# KiCad board ae89fa26-SparkFun_Thing_Plus_ESP32-S3_panelized.kicad_pcb (continued)
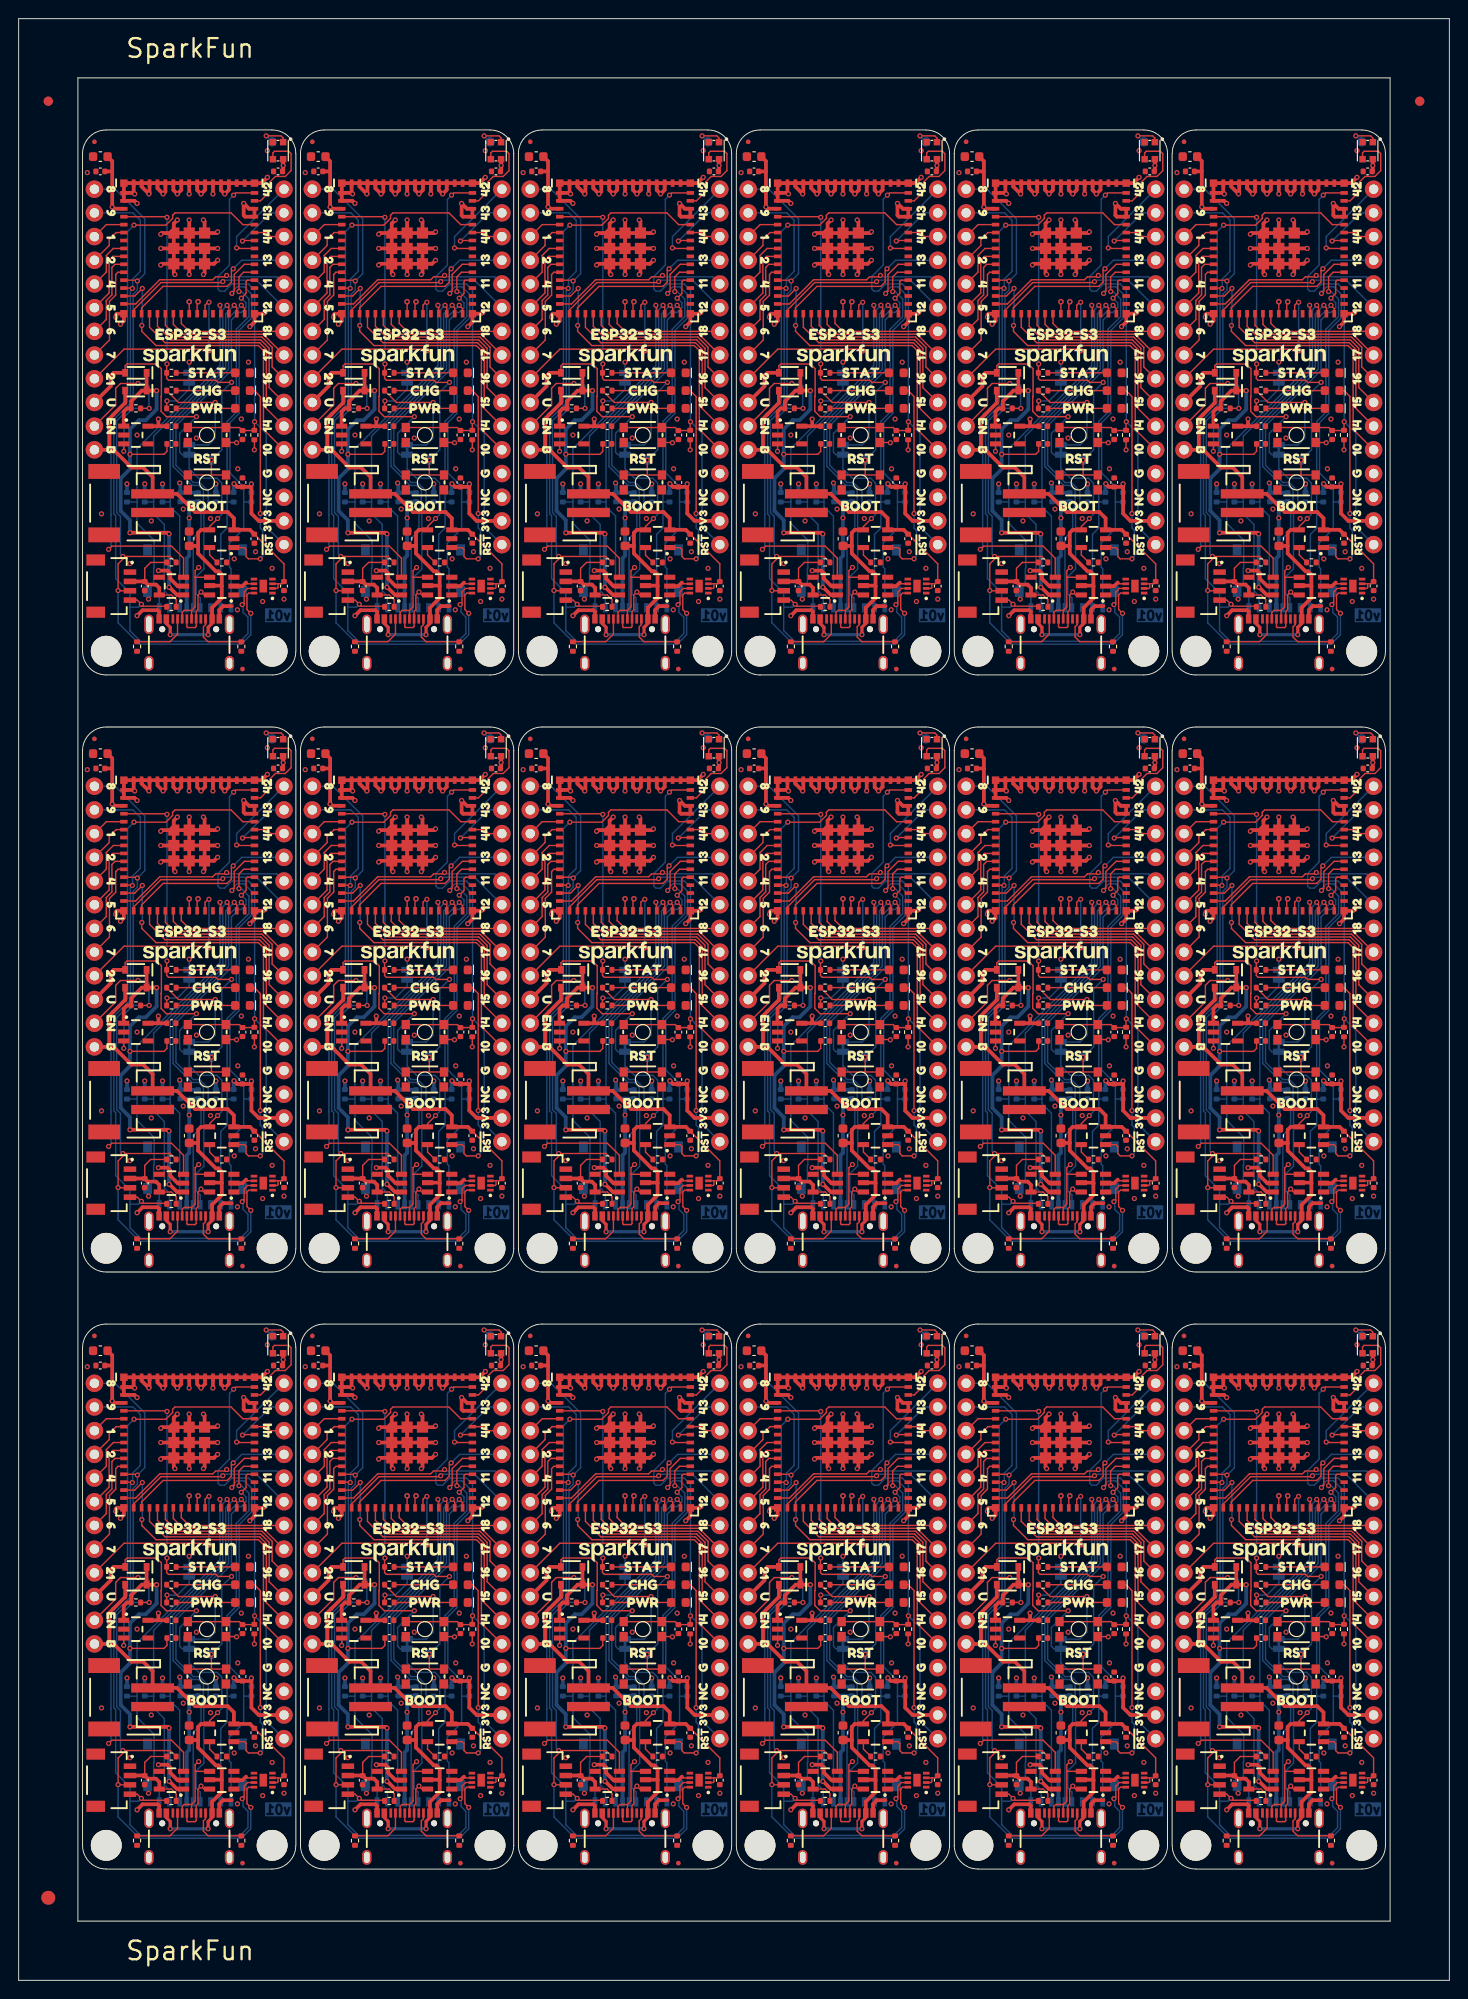
[diagram p0: board, top side]
## Routing (per net, layer and track width the routed paths; a pad name or vN(x,y) marks a point on that pad's centre or on a via; arc(x,y) is an arc through that point) (continued)
VBATT: length 693.4
  Top w0.152: 74.53,21.71 74.93,21.71 C2#8.1 75.16,23.84 C12#5.1 ; 74.53,21.71 U4#13.3 ; 74.53,21.71 74.53,21.3 74.43,21.21 U4#13.2 ; U4#2.3 27.81,21.71 ; 27.81,21.71 28.21,21.71 C2.1 28.44,23.84 C12.1 ; 27.81,21.71 27.81,21.3 27.71,21.21 U4#2.2 ; 51.16,21.71 51.16,21.3 51.07,21.21 U4#5.2 ; 51.16,21.71 U4#5.3 ; 51.16,21.71 51.57,21.71 C2#6.1 51.8,23.84 C12#9.1 ; C12#6.1 75.16,87.84 C2#5.1 74.93,85.71 74.53,85.71 ; U4#6.3 51.16,149.71 ; 51.16,149.71 51.16,149.3 51.07,149.21 U4#6.2 ; 51.16,149.71 51.57,149.71 C2#11.1 51.8,151.84 C12#8.1 ; U4#8.2 97.79,21.21 97.88,21.3 97.88,21.71 ; U4#15.3 144.6,85.71 ; 144.6,85.71 145.01,85.71 C2#18.1 145.24,87.84 C12#11.1 ; 144.6,85.71 144.6,85.3 144.51,85.21 U4#15.2 ; C12#7.1 75.16,151.84 C2#9.1 74.93,149.71 74.53,149.71 ; U4.3 51.16,85.71 ; 51.16,85.71 51.57,85.71 C2#4.1 51.8,87.84 C12#4.1 ; 51.16,85.71 51.16,85.3 51.07,85.21 U4.2 ; C12#12.1 98.52,151.84 C2#14.1 98.29,149.71 97.88,149.71 ; 97.88,21.71 U4#8.3 ; 97.88,21.71 98.29,21.71 C2#10.1 98.52,23.84 C12#10.1 ; C12#16.1 121.88,23.84 C2#15.1 121.65,21.71 121.25,21.71 ; 27.81,85.71 28.21,85.71 C2#2.1 28.44,87.84 C12#3.1 ; 27.81,85.71 U4#4.3 ; 27.81,85.71 27.81,85.3 27.71,85.21 U4#4.2 ; U4#9.3 121.25,85.71 ; 121.25,85.71 121.65,85.71 C2#12.1 121.88,87.84 C12#17.1 ; 121.25,85.71 121.25,85.3 121.15,85.21 U4#9.2 ; U4#7.3 144.6,21.71 ; 144.6,21.71 144.6,21.3 144.51,21.21 U4#7.2 ; 144.6,21.71 145.01,21.71 C2#17.1 145.24,23.84 C12#14.1 ; 97.88,149.71 U4#17.3 ; 97.88,149.71 97.88,149.3 97.79,149.21 U4#17.2 ; 121.25,149.71 121.25,149.3 121.15,149.21 U4#11.2 ; 121.25,149.71 121.65,149.71 C2#16.1 121.88,151.84 C12#13.1 ; 121.25,149.71 U4#11.3 ; U4#14.2 121.15,21.21 121.25,21.3 121.25,21.71 ; U4#18.3 97.88,85.71 ; 97.88,85.71 98.29,85.71 C2#3.1 98.52,87.84 C12#15.1 ; 97.88,85.71 97.88,85.3 97.79,85.21 U4#18.2 ; U4#12.3 74.53,85.71 ; 74.53,85.71 74.53,85.3 74.43,85.21 U4#12.2 ; U4#10.3 144.6,149.71 ; 144.6,149.71 145.01,149.71 C2#13.1 145.24,151.84 C12#18.1 ; 144.6,149.71 144.6,149.3 144.51,149.21 U4#10.2 ; U4#16.3 74.53,149.71 ; 74.53,149.71 74.53,149.3 74.43,149.21 U4#16.2 ; C12#2.1 28.44,151.84 C2#7.1 28.21,149.71 27.81,149.71 ; 27.81,149.71 27.81,149.3 27.71,149.21 U4#3.2 ; 27.81,149.71 U4#3.3 ; 121.25,21.71 U4#14.3
  Top w0.406: D3.A 11.42,105.06 11.38,105.06 10.15,103.84 10.15,103.84 9.71,103.39 9.71,100.06 ; 9.71,100.06 10.18,100.06 12.09,98.16 13.36,98.16 14.36,97.15 J3#4.2 16.96,95.35 18.92,93.39 22.41,93.39 23.07,92.73 U5#3.3 24.8,91.49 C12#3.1 ; 9.71,100.06 U10.12 ; C12#2.1 24.8,155.49 U5#2.3 23.07,156.73 22.41,157.39 18.92,157.39 16.96,159.34 J3#5.2 14.36,161.15 13.36,162.16 12.09,162.16 10.18,164.06 9.71,164.06 ; U10#15.12 103.15,100.06 ; 103.15,100.06 103.62,100.06 105.53,98.16 106.8,98.16 107.8,97.15 J3#17.2 110.4,95.35 112.35,93.39 115.85,93.39 116.51,92.73 U5#9.3 118.24,91.49 C12#17.1 ; 103.15,100.06 103.15,103.39 103.59,103.84 103.59,103.84 104.82,105.06 104.85,105.06 D3#16.A ; 79.79,100.06 80.26,100.06 82.17,98.16 83.44,98.16 84.44,97.15 J3#11.2 87.04,95.35 89,93.39 92.49,93.39 93.15,92.73 U5#18.3 94.88,91.49 C12#15.1 ; 79.79,100.06 79.79,103.39 80.23,103.84 80.23,103.84 81.46,105.06 81.5,105.06 D3#11.A ; 79.79,100.06 U10#17.12 ; 126.51,36.06 126.51,39.39 126.95,39.84 126.95,39.84 128.18,41.06 128.22,41.06 D3#13.A ; 126.51,36.06 U10#10.12 ; 126.51,36.06 126.98,36.06 128.89,34.16 130.16,34.16 131.16,33.15 J3#15.2 133.76,31.34 135.72,29.39 139.21,29.39 139.87,28.73 U5#12.3 141.59,27.49 C12#14.1 ; 33.07,36.06 33.07,39.39 33.51,39.84 33.51,39.84 34.74,41.06 34.78,41.06 D3#3.A ; 33.07,36.06 33.54,36.06 35.45,34.16 36.72,34.16 37.72,33.15 J3#6.2 40.32,31.34 42.28,29.39 45.77,29.39 46.43,28.73 U5#4.3 48.16,27.49 C12#9.1 ; 33.07,36.06 U10#3.12 ; 56.43,36.06 56.43,39.39 56.87,39.84 56.87,39.84 58.1,41.06 58.13,41.06 D3#9.A ; 56.43,36.06 56.9,36.06 58.81,34.16 60.08,34.16 61.08,33.15 J3#8.2 63.68,31.34 65.63,29.39 69.13,29.39 69.79,28.73 U5#7.3 71.51,27.49 C12#5.1 ; 56.43,36.06 U10#6.12 ; U10#4.12 33.07,100.06 ; 33.07,100.06 33.54,100.06 35.45,98.16 36.72,98.16 37.72,97.15 J3.2 40.32,95.35 42.28,93.39 45.77,93.39 46.43,92.73 U5#8.3 48.16,91.49 C12#4.1 ; 33.07,100.06 33.07,103.39 33.51,103.84 33.51,103.84 34.74,105.06 34.78,105.06 D3#7.A ; U10#2.12 9.71,164.06 ; 9.71,164.06 9.71,167.39 10.15,167.84 10.15,167.84 11.38,169.06 11.42,169.06 D3#4.A ; 126.51,164.06 126.98,164.06 128.89,162.16 130.16,162.16 131.16,161.15 J3#14.2 133.76,159.34 135.72,157.39 139.21,157.39 139.87,156.73 U5#17.3 141.59,155.49 C12#18.1 ; 126.51,164.06 U10#7.12 ; 126.51,164.06 126.51,167.39 126.95,167.84 126.95,167.84 128.18,169.06 128.22,169.06 D3#15.A ; 9.71,36.06 9.71,39.39 10.15,39.84 10.15,39.84 11.38,41.06 11.42,41.06 D3#18.A ; 9.71,36.06 U10#18.12 ; 9.71,36.06 10.18,36.06 12.09,34.16 13.36,34.16 14.36,33.15 J3#18.2 16.96,31.34 18.92,29.39 22.41,29.39 23.07,28.73 U5.3 24.8,27.49 C12.1 ; 79.79,164.06 80.26,164.06 82.17,162.16 83.44,162.16 84.44,161.15 J3#3.2 87.04,159.34 89,157.39 92.49,157.39 93.15,156.73 U5#15.3 94.88,155.49 C12#12.1 ; 79.79,164.06 U10#13.12 ; 79.79,164.06 79.79,167.39 80.23,167.84 80.23,167.84 81.46,169.06 81.5,169.06 D3#2.A ; 56.43,100.06 56.43,103.39 56.87,103.84 56.87,103.84 58.1,105.06 58.13,105.06 D3#10.A ; 56.43,100.06 U10#9.12 ; 56.43,100.06 56.9,100.06 58.81,98.16 60.08,98.16 61.08,97.15 J3#9.2 63.68,95.35 65.63,93.39 69.13,93.39 69.79,92.73 U5#11.3 71.51,91.49 C12#6.1 ; 103.15,36.06 103.15,39.39 103.59,39.84 103.59,39.84 104.82,41.06 104.85,41.06 D3#17.A ; 103.15,36.06 103.62,36.06 105.53,34.16 106.8,34.16 107.8,33.15 J3#13.2 110.4,31.34 112.35,29.39 115.85,29.39 116.51,28.73 U5#5.3 118.24,27.49 C12#16.1 ; 103.15,36.06 U10#14.12 ; U10#16.12 103.15,164.06 ; 103.15,164.06 103.62,164.06 105.53,162.16 106.8,162.16 107.8,161.15 J3#12.2 110.4,159.34 112.35,157.39 115.85,157.39 116.51,156.73 U5#16.3 118.24,155.49 C12#13.1 ; 103.15,164.06 103.15,167.39 103.59,167.84 103.59,167.84 104.82,169.06 104.85,169.06 D3#12.A ; U10#12.12 56.43,164.06 ; 56.43,164.06 56.43,167.39 56.87,167.84 56.87,167.84 58.1,169.06 58.13,169.06 D3#6.A ; 56.43,164.06 56.9,164.06 58.81,162.16 60.08,162.16 61.08,161.15 J3#10.2 63.68,159.34 65.63,157.39 69.13,157.39 69.79,156.73 U5#14.3 71.51,155.49 C12#7.1 ; U10#5.12 33.07,164.06 ; 33.07,164.06 33.54,164.06 35.45,162.16 36.72,162.16 37.72,161.15 J3#7.2 40.32,159.34 42.28,157.39 45.77,157.39 46.43,156.73 U5#13.3 48.16,155.49 C12#8.1 ; 33.07,164.06 33.07,167.39 33.51,167.84 33.51,167.84 34.74,169.06 34.78,169.06 D3#5.A ; U10#11.12 79.79,36.06 ; 79.79,36.06 80.26,36.06 82.17,34.16 83.44,34.16 84.44,33.15 J3#2.2 87.04,31.34 89,29.39 92.49,29.39 93.15,28.73 U5#6.3 94.88,27.49 C12#10.1 ; 79.79,36.06 79.79,39.39 80.23,39.84 80.23,39.84 81.46,41.06 81.5,41.06 D3#8.A ; 126.51,100.06 126.51,103.39 126.95,103.84 126.95,103.84 128.18,105.06 128.22,105.06 D3#14.A ; 126.51,100.06 U10#8.12 ; 126.51,100.06 126.98,100.06 128.89,98.16 130.16,98.16 131.16,97.15 J3#16.2 133.76,95.35 135.72,93.39 139.21,93.39 139.87,92.73 U5#10.3 141.59,91.49 C12#11.1
EN: length 356.1
  Top w0.152: R13#6.2 v1(60.71,40.51) ; R13#11.2 v1(130.79,168.51) ; v1(81.34,163.9) U6#12.3 ; v1(106.23,171.17) 104.35,171.17 103.85,170.66 103.85,168.89 U10#16.11 ; v1(12.79,107.17) 10.91,107.17 10.41,106.66 10.41,104.89 U10.11 ; R13#8.2 v1(130.79,40.51) ; v1(128.06,163.9) U6.3 ; v1(12.79,171.17) 10.91,171.17 10.41,170.66 10.41,168.89 U10#2.11 ; v1(82.87,107.17) 80.99,107.17 80.49,106.66 80.49,104.89 U10#17.11 ; R13#4.2 v1(37.35,104.51) ; v1(12.79,43.17) 10.91,43.17 10.41,42.66 10.41,40.89 U10#18.11 ; v1(11.26,35.9) U6#18.3 ; v1(36.15,171.17) 34.27,171.17 33.77,170.66 33.77,168.89 U10#5.11 ; U10#10.11 127.21,40.89 127.21,42.66 127.71,43.17 v1(129.59,43.17) ; v1(59.51,43.17) 57.63,43.17 57.13,42.66 57.13,40.89 U10#6.11 ; R13#16.2 v1(84.07,104.51) ; v1(82.87,171.17) 80.99,171.17 80.49,170.66 80.49,168.89 U10#13.11 ; v1(129.59,107.17) 127.71,107.17 127.21,106.66 127.21,104.89 U10#8.11 ; R13.2 v1(13.99,104.51) ; R13#12.2 v1(107.43,104.51) ; U10#14.11 103.85,40.89 103.85,42.66 104.35,43.17 v1(106.23,43.17) ; v1(36.15,107.17) 34.27,107.17 33.77,106.66 33.77,104.89 U10#4.11 ; v1(57.98,163.9) U6#4.3 ; v1(82.87,43.17) 80.99,43.17 80.49,42.66 80.49,40.89 U10#11.11 ; v1(34.62,99.9) U6#8.3 ; R13#13.2 v1(130.79,104.51) ; v1(128.06,99.9) U6#16.3 ; v1(11.26,163.9) U6#9.3 ; v1(128.06,35.9) U6#17.3 ; v1(81.34,99.9) U6#2.3 ; U10#3.11 33.77,40.89 33.77,42.66 34.27,43.17 v1(36.15,43.17) ; v1(129.59,171.17) 127.71,171.17 127.21,170.66 127.21,168.89 U10#7.11 ; U10#9.11 57.13,104.89 57.13,106.66 57.63,107.17 v1(59.51,107.17) ; v1(104.7,99.9) U6#14.3 ; v1(34.62,35.9) U6#3.3 ; v1(59.51,171.17) 57.63,171.17 57.13,170.66 57.13,168.89 U10#12.11 ; R13#7.2 v1(60.71,104.51) ; v1(106.23,107.17) 104.35,107.17 103.85,106.66 103.85,104.89 U10#15.11 ; v1(104.7,163.9) U6#15.3 ; R13#5.2 v1(37.35,168.51) ; v1(11.26,99.9) U6#7.3 ; R13#3.2 v1(37.35,40.51) ; R13#10.2 v1(84.07,168.51) ; R13#9.2 v1(60.71,168.51) ; v1(57.98,99.9) U6#11.3 ; v1(57.98,35.9) U6#5.3 ; R13#14.2 v1(84.07,40.51) ; R13#2.2 v1(13.99,168.51) ; R13#15.2 v1(107.43,168.51) ; v1(81.34,35.9) U6#6.3 ; R13#18.2 v1(13.99,40.51) ; R13#17.2 v1(107.43,40.51) ; v1(104.7,35.9) U6#13.3 ; v1(34.62,163.9) U6#10.3
  Bottom w0.152: v1(12.79,43.17) 13.71,43.17 13.96,42.92 13.96,40.54 v1(13.99,40.51) 12.25,40.51 11.3,39.55 11.3,35.93 v1(11.26,35.9) ; v1(59.51,171.17) 60.43,171.17 60.68,170.92 60.68,168.54 v1(60.71,168.51) 58.97,168.51 58.01,167.55 58.01,163.93 v1(57.98,163.9) ; v1(57.98,35.9) 58.01,35.93 58.01,39.55 58.97,40.51 v1(60.71,40.51) 60.68,40.54 60.68,42.92 60.43,43.17 v1(59.51,43.17) ; v1(129.59,43.17) 130.51,43.17 130.76,42.92 130.76,40.54 v1(130.79,40.51) 129.05,40.51 128.09,39.55 128.09,35.93 v1(128.06,35.9) ; v1(34.62,35.9) 34.66,35.93 34.66,39.55 35.61,40.51 v1(37.35,40.51) 37.32,40.54 37.32,42.92 37.07,43.17 v1(36.15,43.17) ; v1(36.15,107.17) 37.07,107.17 37.32,106.92 37.32,104.54 v1(37.35,104.51) 35.61,104.51 34.66,103.55 34.66,99.93 v1(34.62,99.9) ; v1(106.23,171.17) 107.15,171.17 107.4,170.92 107.4,168.54 v1(107.43,168.51) 105.69,168.51 104.74,167.55 104.74,163.93 v1(104.7,163.9) ; v1(128.06,163.9) 128.09,163.93 128.09,167.55 129.05,168.51 v1(130.79,168.51) 130.76,168.54 130.76,170.92 130.51,171.17 v1(129.59,171.17) ; v1(82.87,43.17) 83.79,43.17 84.04,42.92 84.04,40.54 v1(84.07,40.51) 82.33,40.51 81.38,39.55 81.38,35.93 v1(81.34,35.9) ; v1(82.87,107.17) 83.79,107.17 84.04,106.92 84.04,104.54 v1(84.07,104.51) 82.33,104.51 81.38,103.55 81.38,99.93 v1(81.34,99.9) ; v1(11.26,163.9) 11.3,163.93 11.3,167.55 12.25,168.51 v1(13.99,168.51) 13.96,168.54 13.96,170.92 13.71,171.17 v1(12.79,171.17) ; v1(82.87,171.17) 83.79,171.17 84.04,170.92 84.04,168.54 v1(84.07,168.51) 82.33,168.51 81.38,167.55 81.38,163.93 v1(81.34,163.9) ; v1(129.59,107.17) 130.51,107.17 130.76,106.92 130.76,104.54 v1(130.79,104.51) 129.05,104.51 128.09,103.55 128.09,99.93 v1(128.06,99.9) ; v1(34.62,163.9) 34.66,163.93 34.66,167.55 35.61,168.51 v1(37.35,168.51) 37.32,168.54 37.32,170.92 37.07,171.17 v1(36.15,171.17) ; v1(104.7,35.9) 104.74,35.93 104.74,39.55 105.69,40.51 v1(107.43,40.51) 107.4,40.54 107.4,42.92 107.15,43.17 v1(106.23,43.17) ; v1(104.7,99.9) 104.74,99.93 104.74,103.55 105.69,104.51 v1(107.43,104.51) 107.4,104.54 107.4,106.92 107.15,107.17 v1(106.23,107.17) ; v1(57.98,99.9) 58.01,99.93 58.01,103.55 58.97,104.51 v1(60.71,104.51) 60.68,104.54 60.68,106.92 60.43,107.17 v1(59.51,107.17) ; v1(11.26,99.9) 11.3,99.93 11.3,103.55 12.25,104.51 v1(13.99,104.51) 13.96,104.54 13.96,106.92 13.71,107.17 v1(12.79,107.17)
ESP0/STAT: length 791.6
  Top w0.152: v1(92.9,171.29) 91.44,171.29 91.22,171.52 86.14,171.52 85.94,171.71 R7#14.1 85.94,173.23 v1(85.98,173.27) ; v1(62.62,188.98) 62.55,189.05 U3#7.4 ; v1(62.62,60.98) 62.55,61.05 U3#17.4 ; v1(132.7,109.27) 132.66,109.23 R7#16.1 132.66,107.71 132.86,107.52 137.94,107.52 138.16,107.29 v1(139.62,107.29) ; 67.38,97.37 SW1#9.1 ; 67.38,97.37 SW1#9.1 ; 67.38,97.37 v1(67.38,98.95) ; v1(62.62,109.27) 62.59,109.23 R7#2.1 62.59,107.71 62.78,107.52 67.86,107.52 68.08,107.29 v1(69.54,107.29) ; v1(85.98,109.27) 85.94,109.23 R7#6.1 85.94,107.71 86.14,107.52 91.22,107.52 91.44,107.29 v1(92.9,107.29) ; U3#9.4 109.27,125.05 v1(109.34,124.98) ; v1(39.26,109.27) 39.22,109.23 R7#9.1 39.22,107.71 39.42,107.52 44.5,107.52 44.72,107.29 v1(46.18,107.29) ; 44.02,33.37 v1(44.02,34.95) ; 44.02,33.37 SW1.1 ; 44.02,33.37 SW1.1 ; SW1#18.1 20.66,33.37 ; 20.66,33.37 SW1#18.1 ; 20.66,33.37 v1(20.66,34.95) ; 114.1,161.37 v1(114.1,162.95) ; 114.1,161.37 SW1#13.1 ; 114.1,161.37 SW1#13.1 ; U3#10.4 85.91,189.05 v1(85.98,188.98) ; v1(15.9,173.27) 15.86,173.23 R7#4.1 15.86,171.71 16.06,171.52 21.14,171.52 21.36,171.29 v1(22.82,171.29) ; v1(132.7,124.98) 132.63,125.05 U3#12.4 ; 44.02,161.37 v1(44.02,162.95) ; 44.02,161.37 SW1#2.1 ; 44.02,161.37 SW1#2.1 ; v1(109.34,45.27) 109.31,45.23 R7#7.1 109.31,43.71 109.5,43.52 114.58,43.52 114.8,43.29 v1(116.26,43.29) ; 114.1,33.37 v1(114.1,34.95) ; 114.1,33.37 SW1#7.1 ; 114.1,33.37 SW1#7.1 ; v1(69.54,43.29) 68.08,43.29 67.86,43.52 62.78,43.52 62.59,43.71 R7#11.1 62.59,45.23 v1(62.62,45.27) ; 67.38,161.37 SW1#15.1 ; 67.38,161.37 v1(67.38,162.95) ; 67.38,161.37 SW1#15.1 ; v1(116.26,107.29) 114.8,107.29 114.58,107.52 109.5,107.52 109.31,107.71 R7#12.1 109.31,109.23 v1(109.34,109.27) ; v1(22.82,43.29) 21.36,43.29 21.14,43.52 16.06,43.52 15.86,43.71 R7#18.1 15.86,45.23 v1(15.9,45.27) ; 90.74,97.37 SW1#6.1 ; 90.74,97.37 SW1#6.1 ; 90.74,97.37 v1(90.74,98.95) ; SW1#4.1 20.66,161.37 ; 20.66,161.37 v1(20.66,162.95) ; 20.66,161.37 SW1#4.1 ; v1(139.62,171.29) 138.16,171.29 137.94,171.52 132.86,171.52 132.66,171.71 R7#17.1 132.66,173.23 v1(132.7,173.27) ; v1(85.98,60.98) 85.91,61.05 U3#11.4 ; 67.38,33.37 v1(67.38,34.95) ; 67.38,33.37 SW1#10.1 ; 67.38,33.37 SW1#10.1 ; U3#5.4 39.19,125.05 v1(39.26,124.98) ; v1(92.9,43.29) 91.44,43.29 91.22,43.52 86.14,43.52 85.94,43.71 R7.1 85.94,45.23 v1(85.98,45.27) ; 90.74,33.37 SW1#11.1 ; 90.74,33.37 v1(90.74,34.95) ; 90.74,33.37 SW1#11.1 ; U3#8.4 62.55,125.05 v1(62.62,124.98) ; v1(15.9,60.98) 15.83,61.05 U3#18.4 ; v1(15.9,109.27) 15.86,109.23 R7#8.1 15.86,107.71 16.06,107.52 21.14,107.52 21.36,107.29 v1(22.82,107.29) ; SW1#3.1 20.66,97.37 ; 20.66,97.37 SW1#3.1 ; 20.66,97.37 v1(20.66,98.95) ; U3#6.4 109.27,189.05 v1(109.34,188.98) ; 137.46,97.37 139.03,97.37 ; 137.46,97.37 SW1#16.1 ; 137.46,97.37 v1(137.46,98.95) ; v1(85.98,124.98) 85.91,125.05 U3#15.4 ; v1(139.62,43.29) 138.16,43.29 137.94,43.52 132.86,43.52 132.66,43.71 R7#13.1 132.66,45.23 v1(132.7,45.27) ; 137.46,161.37 139.03,161.37 ; 137.46,161.37 SW1#17.1 ; 137.46,161.37 v1(137.46,162.95) ; SW1#12.1 114.1,97.37 ; 114.1,97.37 v1(114.1,98.95) ; 114.1,97.37 SW1#12.1 ; SW1#14.1 90.74,161.37 ; 90.74,161.37 SW1#14.1 ; 90.74,161.37 v1(90.74,162.95) ; v1(46.18,43.29) 44.72,43.29 44.5,43.52 39.42,43.52 39.22,43.71 R7#10.1 39.22,45.23 v1(39.26,45.27) ; v1(132.7,188.98) 132.63,189.05 U3#13.4 ; SW1#5.1 44.02,97.37 ; 44.02,97.37 SW1#5.1 ; 44.02,97.37 v1(44.02,98.95) ; v1(15.9,188.98) 15.83,189.05 U3#3.4 ; 137.46,33.37 139.03,33.37 ; 137.46,33.37 v1(137.46,34.95) ; 137.46,33.37 SW1#8.1 ; v1(109.34,173.27) 109.31,173.23 R7#15.1 109.31,171.71 109.5,171.52 114.58,171.52 114.8,171.29 v1(116.26,171.29) ; v1(39.26,173.27) 39.22,173.23 R7#5.1 39.22,171.71 39.42,171.52 44.5,171.52 44.72,171.29 v1(46.18,171.29) ; U3#16.4 132.63,61.05 v1(132.7,60.98) ; U3#4.4 15.83,125.05 v1(15.9,124.98) ; v1(109.34,60.98) 109.27,61.05 U3#14.4 ; v1(69.54,171.29) 68.08,171.29 67.86,171.52 62.78,171.52 62.59,171.71 R7#3.1 62.59,173.23 v1(62.62,173.27) ; v1(39.26,188.98) 39.19,189.05 U3.4 ; v1(39.26,60.98) 39.19,61.05 U3#2.4
  Bottom w0.152: v1(46.18,43.29) 45.15,42.26 45.15,36.07 v1(44.02,34.95) ; v1(116.26,171.29) 115.23,170.26 115.23,164.07 v1(114.1,162.95) ; v1(90.74,34.95) 91.87,36.07 91.87,42.26 v1(92.9,43.29) ; v1(20.66,34.95) 21.79,36.07 21.79,42.26 v1(22.82,43.29) ; v1(137.46,34.95) 138.59,36.07 138.59,42.26 v1(139.62,43.29) ; v1(46.18,171.29) 45.15,170.26 45.15,164.07 v1(44.02,162.95) ; v1(114.1,98.95) 115.23,100.07 115.23,106.26 v1(116.26,107.29) ; v1(20.66,162.95) 21.79,164.07 21.79,170.26 v1(22.82,171.29) ; v1(114.1,34.95) 115.23,36.07 115.23,42.26 v1(116.26,43.29) ; v1(69.54,43.29) 68.51,42.26 68.51,36.07 v1(67.38,34.95) ; v1(39.26,109.27) v1(39.26,124.98) ; v1(62.62,45.27) v1(62.62,60.98) ; v1(15.9,173.27) v1(15.9,188.98) ; v1(137.46,98.95) 138.59,100.07 138.59,106.26 v1(139.62,107.29) ; v1(85.98,173.27) v1(85.98,188.98) ; v1(62.62,109.27) v1(62.62,124.98) ; v1(85.98,45.27) v1(85.98,60.98) ; v1(67.38,98.95) 68.51,100.07 68.51,106.26 v1(69.54,107.29) ; v1(15.9,45.27) v1(15.9,60.98) ; v1(132.7,173.27) v1(132.7,188.98) ; v1(15.9,109.27) v1(15.9,124.98) ; v1(109.34,173.27) v1(109.34,188.98) ; v1(39.26,45.27) v1(39.26,60.98) ; v1(46.18,107.29) 45.15,106.26 45.15,100.07 v1(44.02,98.95) ; v1(69.54,171.29) 68.51,170.26 68.51,164.07 v1(67.38,162.95) ; v1(92.9,107.29) 91.87,106.26 91.87,100.07 v1(90.74,98.95) ; v1(20.66,98.95) 21.79,100.07 21.79,106.26 v1(22.82,107.29) ; v1(85.98,109.27) v1(85.98,124.98) ; v1(137.46,162.95) 138.59,164.07 138.59,170.26 v1(139.62,171.29) ; v1(132.7,109.27) v1(132.7,124.98) ; v1(62.62,173.27) v1(62.62,188.98) ; v1(39.26,173.27) v1(39.26,188.98) ; v1(132.7,45.27) v1(132.7,60.98) ; v1(92.9,171.29) 91.87,170.26 91.87,164.07 v1(90.74,162.95) ; v1(109.34,109.27) v1(109.34,124.98) ; v1(109.34,45.27) v1(109.34,60.98)
ESP1: length 66.4
  Top w0.152: U3#18.5 9.4,60.2 U10#18.3 ; U10#5.3 32.76,188.2 U3.5 ; U3#5.5 32.76,124.2 U10#4.3 ; U10#3.3 32.76,60.2 U3#2.5 ; U10.3 9.4,124.2 U3#4.5 ; U10#7.3 126.2,188.2 U3#13.5 ; U10#8.3 126.2,124.2 U3#12.5 ; U10#15.3 102.84,124.2 U3#9.5 ; U10#12.3 56.12,188.2 U3#7.5 ; U10#2.3 9.4,188.2 U3#3.5 ; U10#9.3 56.12,124.2 U3#8.5 ; U3#11.5 79.48,60.2 U10#11.3 ; U10#17.3 79.48,124.2 U3#15.5 ; U10#10.3 126.2,60.2 U3#16.5 ; U10#16.3 102.84,188.2 U3#6.5 ; U10#14.3 102.84,60.2 U3#14.5 ; U10#6.3 56.12,60.2 U3#17.5 ; U10#13.3 79.48,188.2 U3#10.5
ESP2: length 85.7
  Top w0.152: U10#7.4 126.51,185.97 126.51,186.6 127.25,187.35 U3#13.6 ; U10#9.4 56.43,121.97 56.43,122.6 57.18,123.35 U3#8.6 ; U3#12.6 127.25,123.35 126.51,122.6 126.51,121.97 U10#8.4 ; U10#3.4 33.07,57.97 33.07,58.6 33.81,59.35 U3#2.6 ; U10#10.4 126.51,57.97 126.51,58.6 127.25,59.35 U3#16.6 ; U3#3.6 10.45,187.35 9.71,186.6 9.71,185.97 U10#2.4 ; U3#10.6 80.53,187.35 79.79,186.6 79.79,185.97 U10#13.4 ; U10#11.4 79.79,57.97 79.79,58.6 80.53,59.35 U3#11.6 ; U3.6 33.81,187.35 33.07,186.6 33.07,185.97 U10#5.4 ; U3#7.6 57.18,187.35 56.43,186.6 56.43,185.97 U10#12.4 ; U3#6.6 103.9,187.35 103.15,186.6 103.15,185.97 U10#16.4 ; U10#18.4 9.71,57.97 9.71,58.6 10.45,59.35 U3#18.6 ; U3#15.6 80.53,123.35 79.79,122.6 79.79,121.97 U10#17.4 ; U10#15.4 103.15,121.97 103.15,122.6 103.9,123.35 U3#9.6 ; U10#6.4 56.43,57.97 56.43,58.6 57.18,59.35 U3#17.6 ; U10.4 9.71,121.97 9.71,122.6 10.45,123.35 U3#4.6 ; U3#5.6 33.81,123.35 33.07,122.6 33.07,121.97 U10#4.4 ; U10#14.4 103.15,57.97 103.15,58.6 103.9,59.35 U3#14.6
ESP4: length 104
  Top w0.152: U10#16.5 102.83,183.11 102.83,184.89 103.59,185.65 U3#6.8 ; U3#17.8 56.87,57.65 56.11,56.89 56.11,55.11 U10#6.5 ; U3#3.8 10.15,185.65 9.39,184.89 9.39,183.11 U10#2.5 ; U10#3.5 32.75,55.11 32.75,56.89 33.51,57.65 U3#2.8 ; U3#14.8 103.59,57.65 102.83,56.89 102.83,55.11 U10#14.5 ; U3#11.8 80.23,57.65 79.47,56.89 79.47,55.11 U10#11.5 ; U3#15.8 80.23,121.65 79.47,120.89 79.47,119.11 U10#17.5 ; U3#16.8 126.95,57.65 126.19,56.89 126.19,55.11 U10#10.5 ; U3#4.8 10.15,121.65 9.39,120.89 9.39,119.11 U10.5 ; U10#9.5 56.11,119.11 56.11,120.89 56.87,121.65 U3#8.8 ; U3#5.8 33.51,121.65 32.75,120.89 32.75,119.11 U10#4.5 ; U3#12.8 126.95,121.65 126.19,120.89 126.19,119.11 U10#8.5 ; U10#13.5 79.47,183.11 79.47,184.89 80.23,185.65 U3#10.8 ; U10#15.5 102.83,119.11 102.83,120.89 103.59,121.65 U3#9.8 ; U3#13.8 126.95,185.65 126.19,184.89 126.19,183.11 U10#7.5 ; U3#7.8 56.87,185.65 56.11,184.89 56.11,183.11 U10#12.5 ; U3.8 33.51,185.65 32.75,184.89 32.75,183.11 U10#5.5 ; U10#18.5 9.39,55.11 9.39,56.89 10.15,57.65 U3#18.8
ESP5: length 134.8
  Top w0.152: U10#13.6 79.77,180.87 79.77,184.38 80.19,184.8 U3#10.9 ; U10#6.6 56.41,52.87 56.41,56.38 56.83,56.8 U3#17.9 ; U3#9.9 103.55,120.8 103.13,120.38 103.13,116.87 U10#15.6 ; U3#6.9 103.55,184.8 103.13,184.38 103.13,180.87 U10#16.6 ; U10#3.6 33.05,52.87 33.05,56.38 33.47,56.8 U3#2.9 ; U3#15.9 80.19,120.8 79.77,120.38 79.77,116.87 U10#17.6 ; U3#12.9 126.91,120.8 126.49,120.38 126.49,116.87 U10#8.6 ; U10#12.6 56.41,180.87 56.41,184.38 56.83,184.8 U3#7.9 ; U10.6 9.69,116.87 9.69,120.38 10.11,120.8 U3#4.9 ; U3.9 33.47,184.8 33.05,184.38 33.05,180.87 U10#5.6 ; U10#4.6 33.05,116.87 33.05,120.38 33.47,120.8 U3#5.9 ; U10#9.6 56.41,116.87 56.41,120.38 56.83,120.8 U3#8.9 ; U10#18.6 9.69,52.87 9.69,56.38 10.11,56.8 U3#18.9 ; U10#11.6 79.77,52.87 79.77,56.38 80.19,56.8 U3#11.9 ; U10#2.6 9.69,180.87 9.69,184.38 10.11,184.8 U3#3.9 ; U10#10.6 126.49,52.87 126.49,56.38 126.91,56.8 U3#16.9 ; U3#13.9 126.91,184.8 126.49,184.38 126.49,180.87 U10#7.6 ; U3#14.9 103.55,56.8 103.13,56.38 103.13,52.87 U10#14.6
ESP6: length 163
  Top w0.152: U3#2.10 33.69,55.95 33.36,55.62 33.36,52.67 32.75,52.06 32.75,50.03 U10#3.7 ; U3#8.10 57.05,119.95 56.72,119.62 56.72,116.67 56.11,116.06 56.11,114.03 U10#9.7 ; U3#9.10 103.77,119.95 103.44,119.62 103.44,116.67 102.83,116.06 102.83,114.03 U10#15.7 ; U10#16.7 102.83,178.03 102.83,180.06 103.44,180.67 103.44,183.62 103.77,183.95 U3#6.10 ; U10#8.7 126.19,114.03 126.19,116.06 126.8,116.67 126.8,119.62 127.13,119.95 U3#12.10 ; U3#7.10 57.05,183.95 56.72,183.62 56.72,180.67 56.11,180.06 56.11,178.03 U10#12.7 ; U10.7 9.39,114.03 9.39,116.06 10,116.67 10,119.62 10.33,119.95 U3#4.10 ; U3#18.10 10.33,55.95 10,55.62 10,52.67 9.39,52.06 9.39,50.03 U10#18.7 ; U10#17.7 79.47,114.03 79.47,116.06 80.08,116.67 80.08,119.62 80.41,119.95 U3#15.10 ; U3#13.10 127.13,183.95 126.8,183.62 126.8,180.67 126.19,180.06 126.19,178.03 U10#7.7 ; U3#11.10 80.41,55.95 80.08,55.62 80.08,52.67 79.47,52.06 79.47,50.03 U10#11.7 ; U10#4.7 32.75,114.03 32.75,116.06 33.36,116.67 33.36,119.62 33.69,119.95 U3#5.10 ; U10#5.7 32.75,178.03 32.75,180.06 33.36,180.67 33.36,183.62 33.69,183.95 U3.10 ; U10#10.7 126.19,50.03 126.19,52.06 126.8,52.67 126.8,55.62 127.13,55.95 U3#16.10 ; U10#14.7 102.83,50.03 102.83,52.06 103.44,52.67 103.44,55.62 103.77,55.95 U3#14.10 ; U3#10.10 80.41,183.95 80.08,183.62 80.08,180.67 79.47,180.06 79.47,178.03 U10#13.7 ; U10#6.7 56.11,50.03 56.11,52.06 56.72,52.67 56.72,55.62 57.05,55.95 U3#17.10 ; U10#2.7 9.39,178.03 9.39,180.06 10,180.67 10,183.62 10.33,183.95 U3#3.10
ESP7: length 190
  Top w0.152: U3#6.11 104.09,183.1 103.85,182.86 103.85,180.65 103.17,179.97 103.17,175.83 U10#16.8 ; U10#18.8 9.73,47.83 9.73,51.97 10.41,52.65 10.41,54.86 10.65,55.1 U3#18.11 ; U10.8 9.73,111.83 9.73,115.97 10.41,116.65 10.41,118.86 10.65,119.1 U3#4.11 ; U10#8.8 126.53,111.83 126.53,115.97 127.21,116.65 127.21,118.86 127.45,119.1 U3#12.11 ; U3#15.11 80.73,119.1 80.49,118.86 80.49,116.65 79.81,115.97 79.81,111.83 U10#17.8 ; U10#4.8 33.09,111.83 33.09,115.97 33.77,116.65 33.77,118.86 34.01,119.1 U3#5.11 ; U3#17.11 57.37,55.1 57.13,54.86 57.13,52.65 56.45,51.97 56.45,47.83 U10#6.8 ; U3#9.11 104.09,119.1 103.85,118.86 103.85,116.65 103.17,115.97 103.17,111.83 U10#15.8 ; U3#14.11 104.09,55.1 103.85,54.86 103.85,52.65 103.17,51.97 103.17,47.83 U10#14.8 ; U3#11.11 80.73,55.1 80.49,54.86 80.49,52.65 79.81,51.97 79.81,47.83 U10#11.8 ; U10#5.8 33.09,175.83 33.09,179.97 33.77,180.65 33.77,182.86 34.01,183.1 U3.11 ; U3#2.11 34.01,55.1 33.77,54.86 33.77,52.65 33.09,51.97 33.09,47.83 U10#3.8 ; U10#10.8 126.53,47.83 126.53,51.97 127.21,52.65 127.21,54.86 127.45,55.1 U3#16.11 ; U3#8.11 57.37,119.1 57.13,118.86 57.13,116.65 56.45,115.97 56.45,111.83 U10#9.8 ; U3#3.11 10.65,183.1 10.41,182.86 10.41,180.65 9.73,179.97 9.73,175.83 U10#2.8 ; U10#12.8 56.45,175.83 56.45,179.97 57.13,180.65 57.13,182.86 57.37,183.1 U3#7.11 ; U3#10.11 80.73,183.1 80.49,182.86 80.49,180.65 79.81,179.97 79.81,175.83 U10#13.8 ; U3#13.11 127.45,183.1 127.21,182.86 127.21,180.65 126.53,179.97 126.53,175.83 U10#7.8
ESP8/SDA: length 1465.8
  Top w0.152: U3#12.12 129.43,118.25 v1(129.52,118.16) ; v1(48.24,82.53) 47.83,82.95 47.83,84.5 48.03,84.71 U4.8 ; U3#16.12 129.43,54.25 v1(129.52,54.16) ; R15#10.2 16.25,152.63 v1(11.17,152.63) 11.17,152.34 10.66,151.84 v1(10.66,148.98) 10.68,148.96 12.01,148.96 ; v1(12.72,182.16) 12.63,182.25 U3#3.12 ; U4#16.8 71.39,148.71 71.19,148.5 71.19,146.95 v1(71.6,146.53) ; R15#4.2 133.05,88.63 v1(127.97,88.63) 127.97,88.34 127.46,87.84 v1(127.46,84.98) 127.48,84.96 128.81,84.96 ; R15#9.2 16.25,88.63 v1(11.17,88.63) 11.17,88.34 10.66,87.84 v1(10.66,84.98) 10.68,84.96 12.01,84.96 ; U3#9.12 106.07,118.25 v1(106.16,118.16) ; v1(48.24,146.53) 47.83,146.95 47.83,148.5 48.03,148.71 U4#6.8 ; v1(118.32,82.53) 117.91,82.95 117.91,84.5 118.11,84.71 U4#9.8 ; 128.81,148.96 127.48,148.96 v1(127.46,148.98) 127.46,151.84 127.97,152.34 v1(127.97,152.63) 133.05,152.63 R15#6.2 ; v1(141.68,18.53) 141.27,18.95 141.27,20.5 141.47,20.71 U4#7.8 ; R15#13.2 62.97,24.63 v1(57.89,24.63) 57.89,24.34 57.38,23.84 v1(57.38,20.98) 57.4,20.96 58.73,20.96 ; U4#13.8 71.39,20.71 71.19,20.5 71.19,18.95 v1(71.6,18.53) ; U3#17.12 59.35,54.25 v1(59.44,54.16) ; v1(24.88,146.53) 24.47,146.95 24.47,148.5 24.67,148.71 U4#3.8 ; v1(12.72,54.16) 12.63,54.25 U3#18.12 ; v1(129.52,182.16) 129.43,182.25 U3#13.12 ; v1(82.8,182.16) 82.71,182.25 U3#10.12 ; U4#18.8 94.75,84.71 94.55,84.5 94.55,82.95 v1(94.96,82.53) ; v1(36.08,54.16) 35.99,54.25 U3#2.12 ; U3#7.12 59.35,182.25 v1(59.44,182.16) ; U4#8.8 94.75,20.71 94.55,20.5 94.55,18.95 v1(94.96,18.53) ; v1(82.8,118.16) 82.71,118.25 U3#15.12 ; U4#11.8 118.11,148.71 117.91,148.5 117.91,146.95 v1(118.32,146.53) ; R15#15.2 62.97,88.63 v1(57.89,88.63) 57.89,88.34 57.38,87.84 v1(57.38,84.98) 57.4,84.96 58.73,84.96 ; R15#18.2 109.69,24.63 v1(104.61,24.63) 104.61,24.34 104.1,23.84 v1(104.1,20.98) 104.12,20.96 105.45,20.96 ; v1(118.32,18.53) 117.91,18.95 117.91,20.5 118.11,20.71 U4#14.8 ; 128.81,20.96 127.48,20.96 v1(127.46,20.98) 127.46,23.84 127.97,24.34 v1(127.97,24.63) 133.05,24.63 R15#2.2 ; R15#5.2 109.69,152.63 v1(104.61,152.63) 104.61,152.34 104.1,151.84 v1(104.1,148.98) 104.12,148.96 105.45,148.96 ; 82.09,84.96 80.76,84.96 v1(80.74,84.98) 80.74,87.84 81.25,88.34 v1(81.25,88.63) 86.33,88.63 R15#14.2 ; U3#6.12 106.07,182.25 v1(106.16,182.16) ; v1(48.24,18.53) 47.83,18.95 47.83,20.5 48.03,20.71 U4#5.8 ; 58.73,148.96 57.4,148.96 v1(57.38,148.98) 57.38,151.84 57.89,152.34 v1(57.89,152.63) 62.97,152.63 R15#16.2 ; 105.45,84.96 104.12,84.96 v1(104.1,84.98) 104.1,87.84 104.61,88.34 v1(104.61,88.63) 109.69,88.63 R15#3.2 ; v1(82.8,54.16) 82.71,54.25 U3#11.12 ; R15#8.2 86.33,24.63 v1(81.25,24.63) 81.25,24.34 80.74,23.84 v1(80.74,20.98) 80.76,20.96 82.09,20.96 ; U4#4.8 24.67,84.71 24.47,84.5 24.47,82.95 v1(24.88,82.53) ; 35.37,84.96 34.04,84.96 v1(34.02,84.98) 34.02,87.84 34.53,88.34 v1(34.53,88.63) 39.61,88.63 R15#7.2 ; U4#17.8 94.75,148.71 94.55,148.5 94.55,146.95 v1(94.96,146.53) ; U3#4.12 12.63,118.25 v1(12.72,118.16) ; v1(59.44,118.16) 59.35,118.25 U3#8.12 ; U3.12 35.99,182.25 v1(36.08,182.16) ; v1(106.16,54.16) 106.07,54.25 U3#14.12 ; U4#2.8 24.67,20.71 24.47,20.5 24.47,18.95 v1(24.88,18.53) ; v1(141.68,146.53) 141.27,146.95 141.27,148.5 141.47,148.71 U4#10.8 ; 12.01,20.96 10.68,20.96 v1(10.66,20.98) 10.66,23.84 11.17,24.34 v1(11.17,24.63) 16.25,24.63 R15.2 ; U4#15.8 141.47,84.71 141.27,84.5 141.27,82.95 v1(141.68,82.53) ; R15#17.2 86.33,152.63 v1(81.25,152.63) 81.25,152.34 80.74,151.84 v1(80.74,148.98) 80.76,148.96 82.09,148.96 ; 35.37,148.96 34.04,148.96 v1(34.02,148.98) 34.02,151.84 34.53,152.34 v1(34.53,152.63) 39.61,152.63 R15#12.2 ; v1(71.6,82.53) 71.19,82.95 71.19,84.5 71.39,84.71 U4#12.8 ; 35.37,20.96 34.04,20.96 v1(34.02,20.98) 34.02,23.84 34.53,24.34 v1(34.53,24.63) 39.61,24.63 R15#11.2 ; v1(36.08,118.16) 35.99,118.25 U3#5.12